# KiCad board miniFPGA_panel.kicad_pcb (continued)
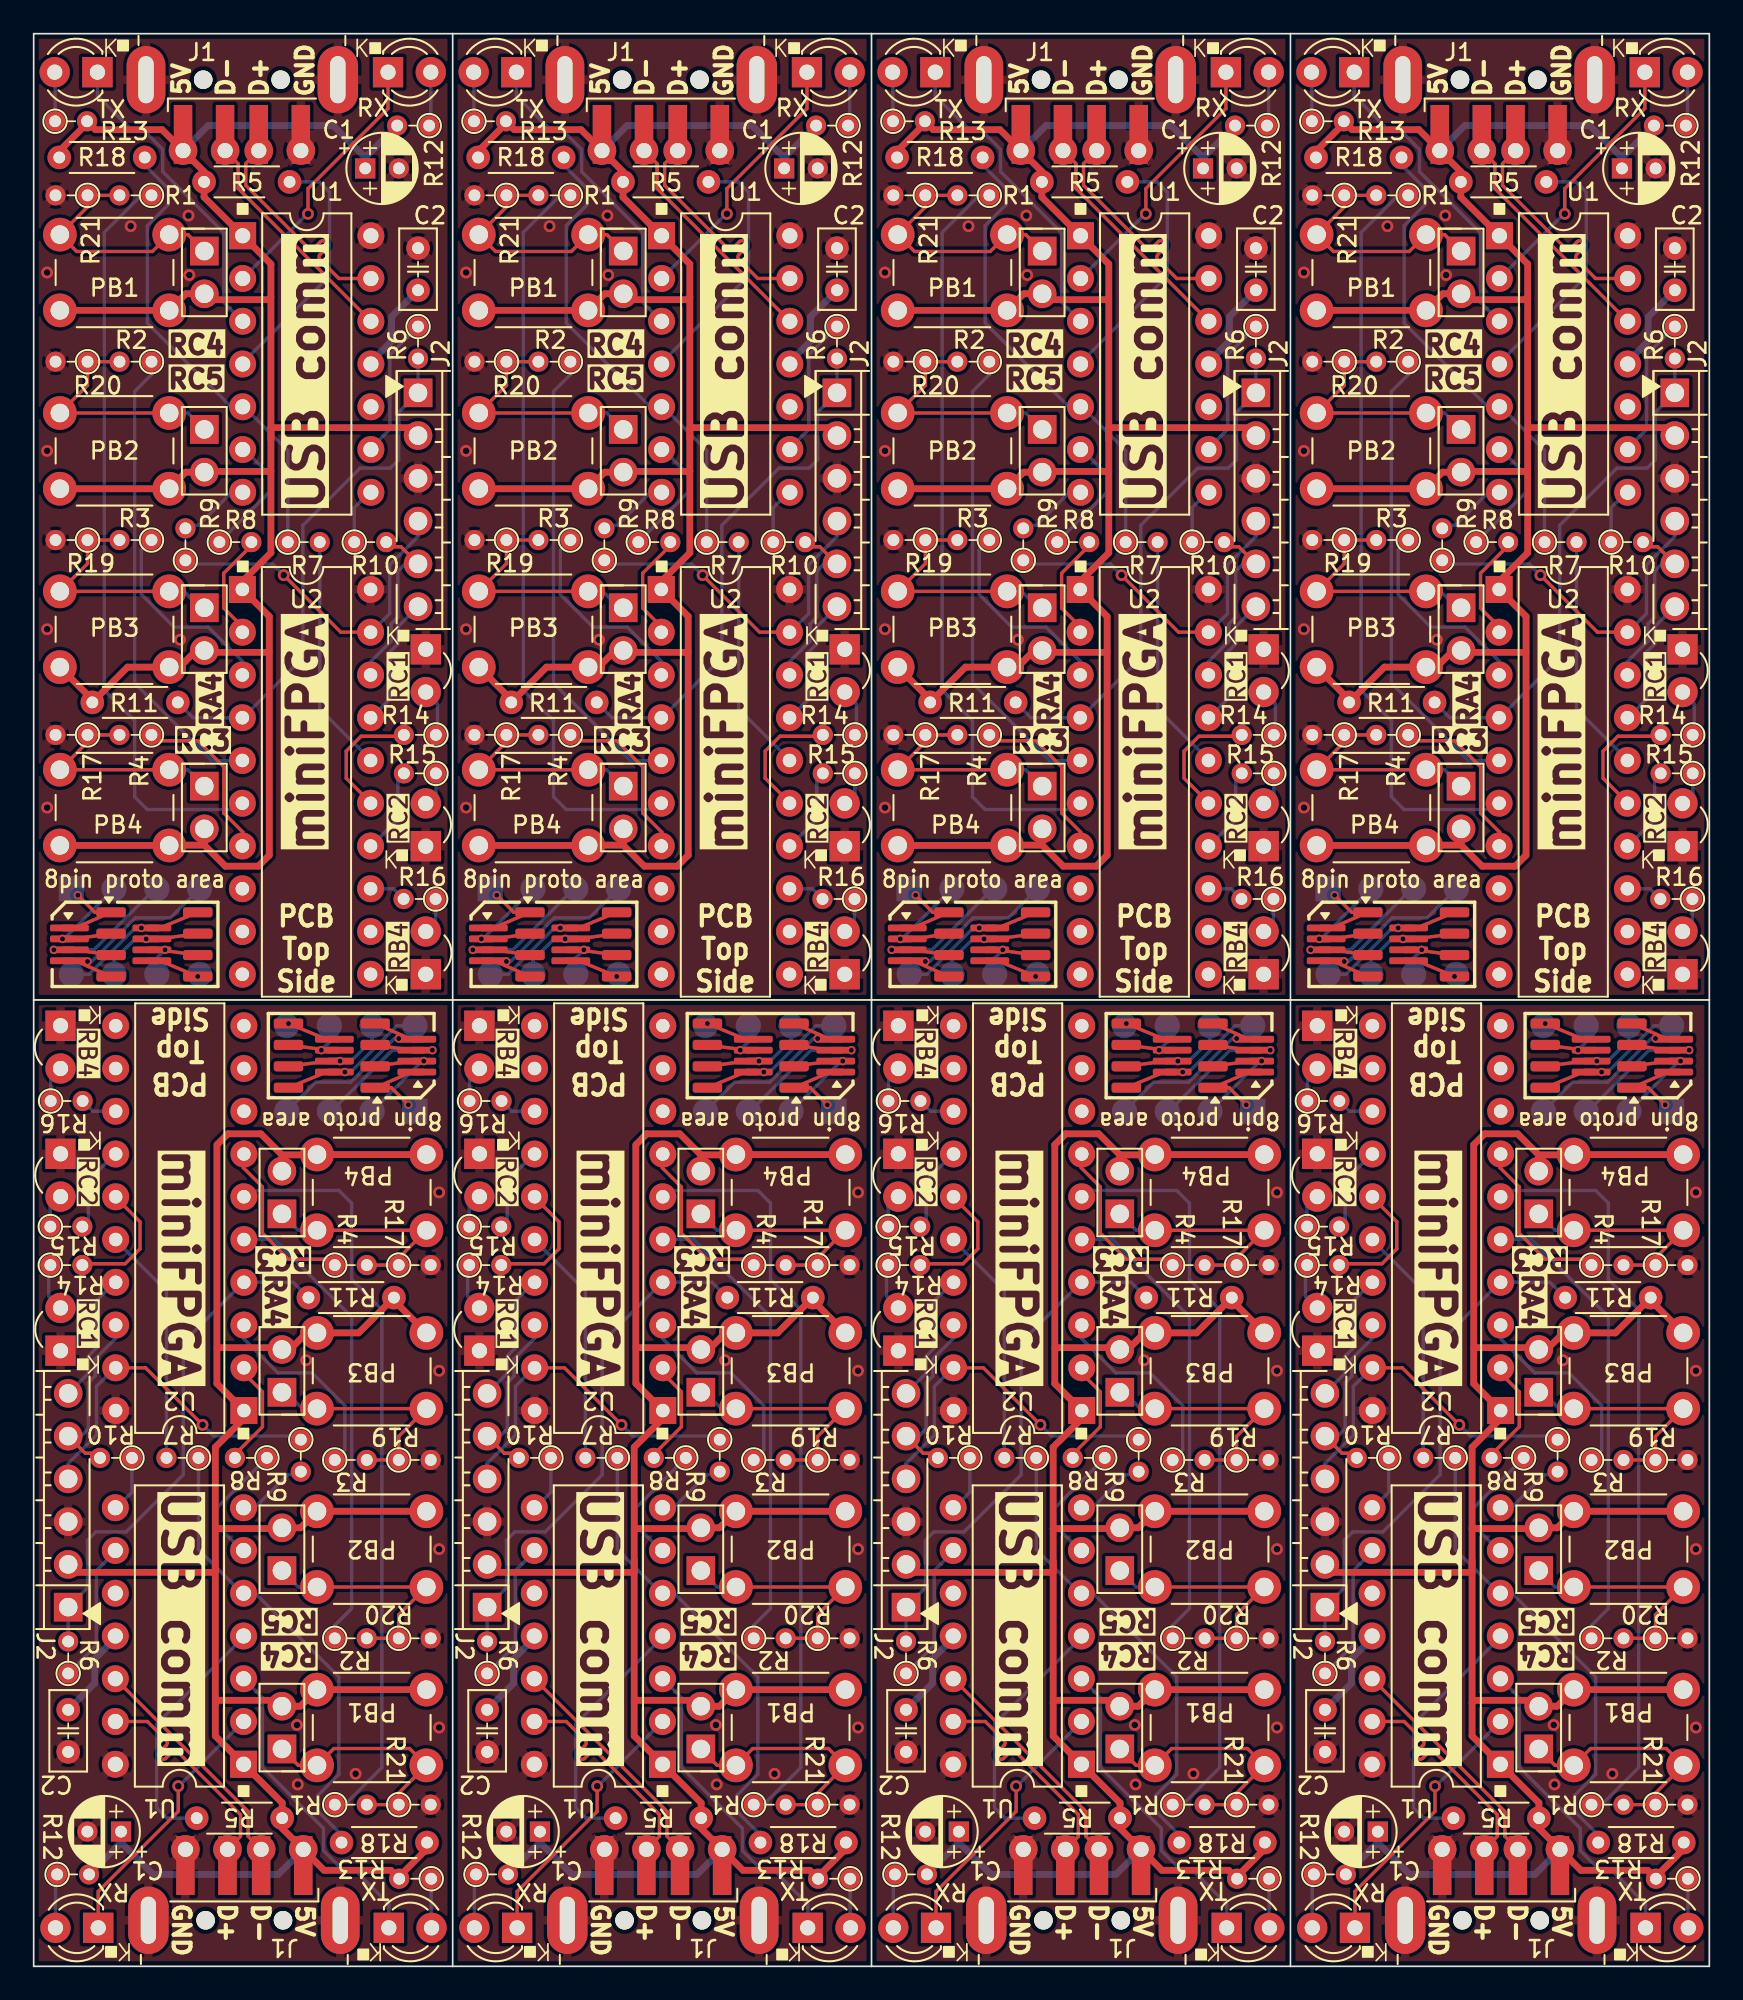
[diagram p0: board, top side]
## Routing (per net, layer and track width the routed paths; a pad name or vN(x,y) marks a point on that pad's centre or on a via; arc(x,y) is an arc through that point) (continued)
Board_0-Net-(LED4-A): length 2
  Bottom w0.2: LED4#7.2 23.91,69.69 23.91,70.87
Board_0-Net-(LED5-A): length 2.2
  Bottom w0.2: R16#6.1 23.88,62.06 LED5.2
Board_0-Net-(U1-GP2): length 4.1
  Bottom w0.2: 9.12,85.6 9.8,85.6 11.84,87.64 12.43,87.64
Board_0-Net-(U1-GP3): length 3.7
  Bottom w0.2: 19.03,84.33 19.05,84.35 19.05,86.65 20.05,87.64
Board_0-Net-(U1-SDA): length 8.4
  Bottom w0.2: 20.05,90.18 21.16,91.3 21.16,95.73 R6#5.1
Board_0-Net-(U1-VUSB): length 5.4
  Bottom w0.4: C2#7.1 21.27,97.99 21.27,96.54 20.05,95.33 20.05,95.33
Board_0-Net-(U1-~{RST}): length 14.9
  Bottom w0.2: R5.1 16.97,106 17.58,105.4 17.58,100.42 12.43,95.26
Board_0-VDD: length 134.9
  Top w0.4: PB1#5.2 PB1#5.2 9.04,99.36 JP1#8.2 10.49,99 13.96,99 14.1,99.14 ; PB2#6.2 PB2#6.2 9.04,88.76 JP2#6.2 10.18,88.8 14.1,88.8 ; 14.1,90.68 14.1,91.4 22.37,91.4 J2#6.2 ; PB3#8.2 3.49,75.25 R11#5.1 5.58,77.18 PB3#8.2 8.68,77.18 9.66,78.16 JP3#7.2 10.25,78.05 14,78.05 ; R18#3.1 1.52,107.82 3.17,109.48 R13#7.2 3.67,109.1 7.63,109.1 10.13,106.61 10.13,105.1 14.1,101.12 14.1,83.97 12.44,82.31 12.44,81.76 14,80.19 14,66 13.35,65.35 11.39,65.35 10.14,66.6 ; PB4#5.2 PB4#5.2 8.08,66.6 10.14,66.6 ; 10.14,66.6 JP4.2
  Bottom w0.4: 19.7,107.45 R12#7.2 ; 19.7,107.45 C1#8.1 ; 19.7,107.45 17.8,109.35 10.36,109.35 J1#2.1
Board_1-/RA0: length 20.5
  Top w0.2: v1(39.75,82.64) 43.14,79.25 44.95,79.25
  Bottom w0.2: 34.02,83.7 34.41,83.3 39.09,83.3 39.39,83.01 39.39,83 v1(39.75,82.64) ; J2#5.4 47.73,84.94 46.05,83.25 46.05,80.35 44.95,79.25
Board_1-/RA1: length 10.5
  Top w0.2: 45.82,84.33 46.72,84.33 J2#5.5
  Bottom w0.2: 44.95,76.71 44.95,77.54 46.13,78.72 46.13,79.74 46.53,80.14 46.53,82.87 46.97,83.31 J2#5.5
Board_1-/RA2: length 7.8
  Bottom w0.2: 44.95,74.17 46.05,75.27 46.05,78.07 46.53,78.56 46.53,79.57 J2#5.6
Board_1-/RA4: length 11.9
  Bottom w0.2: R3#5.1 31.29,84.13 31.29,81.5 33.23,79.55 35.27,79.55 37.29,77.53 37.29,76.71
Board_1-/RA5: length 6.3
  Top w0.2: 37.83,84.33 37.76,84.33 36.19,82.76 36.19,80.68 37.33,79.54 37.33,79.25
Board_1-/RB4: length 2.2
  Bottom w0.2: U2#6.13 46.27,64.01 R16#4.2
Board_1-/RC0: length 14.2
  Bottom w0.2: 44.95,71.63 41.89,74.69 R7#5.2
Board_1-/RC1: length 7.5
  Top w0.2: R14#5.2 46.81,73.07 44.35,73.07 43.46,72.19 43.46,70.58 44.95,69.09
Board_1-/RC2: length 5.1
  Bottom w0.2: 46.9,70.87 46.53,70.5 46.53,68.14 44.95,66.55
Board_1-/RC3: length 10.3
  Top w0.2: 37.33,66.55 37.33,67.37 36.19,68.5 36.19,71.25 34.64,72.8 32.24,72.8 R4.1
Board_1-/RC4: length 44.5
  Bottom w0.2: 37.33,69.09 36.95,68.72 31.64,68.72 30.89,69.47 30.89,74 29.09,75.8 29.09,103 31.3,105.2 31.49,105.2
Board_1-/RC5: length 27.8
  Bottom w0.2: R2.1 31.89,94.55 30.89,93.55 30.89,76.23 35.48,71.63 37.33,71.63
Board_1-/URx: length 27.9
  Bottom w0.2: R7#5.1 39.99,90.05 37.32,92.72 36.54,92.72 31.65,97.62 31.65,103.41 32.89,104.65 32.89,105.6 31.49,107 R18#8.2
Board_1-/USB_D+: length 13.7
  Top w0.2: J1#8.3 37.49,107.09 37.49,105.8 41.24,102.05 arc(41.39,101.99) 41.53,102.05 41.94,102.45 arc(42.08,102.51) 42.23,102.45 42.3,102.38 arc(42.36,102.23) 42.3,102.09 41.9,101.68 arc(41.84,101.54) 41.9,101.39 43.03,100.26 U1#6.13 44.94,100.27
Board_1-/USB_D-: length 13.7
  Top w0.2: J1#8.2 37.04,107.09 37.04,105.61 U1#6.12 ; 44.93,97.8 44.94,97.8
Board_1-/UTx: length 7.5
  Bottom w0.2: R8.1 38.89,87.57 38.89,88.61 37.32,90.18
Board_1-/~{MCLR}: length 30.9
  Bottom w0.2: 47.73,95.51 J2#5.1 46.58,92.32 46.58,89.5 46.09,89 44.29,89 40.89,85.6 40.89,77.74 37.33,74.17 34.37,74.17 R11#6.2
Board_1-GNDD:
  vias: v1(25.69,100.62) v1(25.69,90.02) v1(25.69,79.43) v1(25.69,68.83) v1(30.66,103.37) v1(33.59,78.8) v1(34.09,104) v1(34.14,100.47)
Board_1-Net-(A1-Pin_1): length 2.4
  Top w0.2: A1#5.1 28.53,62.61 v2(27.52,63.63)
Board_1-Net-(A1-Pin_2): length 4.3
  Bottom w0.2: v2(26.6,61.03) 26.69,61.03 TP2#2.1
Board_1-Net-(A1-Pin_3): length 7.6
  Bottom w0.2: TP3.1 32.1,64.01 28.47,60.38 v2(26.09,60.38)
Board_1-Net-(A1-Pin_4): length 8.9
  Top w0.2: 26.2,59.69 26.56,59.69 A1#5.4
  Bottom w0.2: TP4#2.1 33.03,62.29 30.94,62.29 28.35,59.69 v2(28.09,59.69)
Board_1-Net-(A1-Pin_5): length 0.2
  Bottom w0.2: v2(34.64,58.8) 34.75,58.91 TP5#3.1
Board_1-Net-(A1-Pin_6): length 1.6
  Bottom w0.2: TP6#4.1 32.21,59.9 v2(32.69,60.38)
Board_1-Net-(A1-Pin_7): length 3.3
  Bottom w0.2: TP7#5.1 29.67,59.78 30.92,61.03 v2(31.58,61.03)
Board_1-Net-(A1-Pin_8): length 5.3
  Bottom w0.2: v2(31.29,61.68) 30.94,61.68 28.19,58.93 TP8#6.1
Board_1-Net-(JP1-A): length 14.3
  Top w0.2: 29.59,105.2 R21#2.1 28.09,104.51 PB1#3.1 27.45,101.87 31.95,101.87 PB1#3.1 34.06,102.87 JP1#7.1
Board_1-Net-(JP2-A): length 14.3
  Top w0.2: 29.63,95.32 R20#4.1 28.09,93.92 PB2#2.1 PB2#2.1
  Bottom w0.2: PB2#2.1 34.06,92.27 JP2#3.1
Board_1-Net-(JP3-A): length 14.3
  Top w0.2: PB3#7.1 PB3#7.1 28.09,83.32 R19.1 29.63,84.73
  Bottom w0.2: PB3#7.1 33.82,81.68 34.79,80.7 JP3#8.1
Board_1-Net-(JP4-A): length 13.3
  Top w0.2: PB4#8.1 PB4#8.1 28.09,72.73 R17#7.1 29.63,73.15
  Bottom w0.2: JP4#4.1 34.06,71.08 PB4#8.1
Board_1-Net-(LED1-A): length 3.2
  Bottom w0.2: 48.38,109.35 48.49,109.45 48.49,112.52
Board_1-Net-(LED1-K): length 15.9
  Top w0.2: LED1#5.1 45.95,110.36 41.19,105.6 v1(41.19,104.1)
  Bottom w0.2: 37.32,100.34 37.31,100.34 U1#6.2 41.15,104.1 v1(41.19,104.1)
Board_1-Net-(LED2-A): length 2.9
  Bottom w0.2: LED2#7.2 26.16,112.5 R13#6.1
Board_1-Net-(LED2-K): length 18.8
  Bottom w0.2: LED2#7.1 28.68,111.11 30.79,109 31.49,109 32.56,107.94 32.56,106.61 36.19,102.98 36.19,98.84 37.32,97.72
Board_1-Net-(LED3-A): length 2.8
  Bottom w0.2: LED3#7.2 48.89,75 48.89,73.15
Board_1-Net-(LED4-A): length 2
  Bottom w0.2: 48.8,70.87 48.8,69.69 LED4#4.2
Board_1-Net-(LED5-A): length 2.2
  Bottom w0.2: LED5#8.2 48.77,62.06 R16#4.1
Board_1-Net-(U1-GP2): length 4.1
  Bottom w0.2: 34.02,85.6 34.69,85.6 36.73,87.64 37.32,87.64
Board_1-Net-(U1-GP3): length 3.7
  Bottom w0.2: 43.92,84.33 43.94,84.35 43.94,86.65 44.94,87.64
Board_1-Net-(U1-SDA): length 8.4
  Bottom w0.2: 44.94,90.18 46.06,91.3 46.06,95.73 R6#3.1
Board_1-Net-(U1-VUSB): length 5.4
  Bottom w0.4: C2.1 46.16,97.99 46.16,96.54 44.95,95.33 44.94,95.33
Board_1-Net-(U1-~{RST}): length 14.9
  Bottom w0.2: 37.32,95.26 42.47,100.42 42.47,105.4 41.87,106 R5#3.1
Board_1-VDD: length 134.9
  Top w0.4: 38.89,78.05 35.14,78.05 JP3#8.2 34.55,78.16 33.57,77.18 PB3#7.2 30.47,77.18 R11#6.1 28.38,75.25 PB3#7.2 ; 35.03,66.6 36.28,65.35 38.24,65.35 38.89,66 38.89,80.19 37.33,81.76 37.33,82.31 38.99,83.97 38.99,101.12 35.02,105.1 35.02,106.61 32.52,109.1 28.56,109.1 R13#6.2 28.06,109.48 26.41,107.82 R18#8.1 ; 35.03,66.6 32.97,66.6 PB4#8.2 PB4#8.2 ; 35.03,66.6 JP4#4.2 ; 38.99,88.8 35.08,88.8 JP2#3.2 33.93,88.76 PB2#2.2 PB2#2.2 ; 38.99,99.14 38.85,99 35.38,99 JP1#7.2 33.93,99.36 PB1#3.2 PB1#3.2 ; J2#5.2 47.26,91.4 38.99,91.4 38.99,90.68
  Bottom w0.4: 44.59,107.45 R12#8.2 ; 44.59,107.45 C1#2.1 ; 44.59,107.45 42.69,109.35 35.25,109.35 J1#8.1
Board_2-/RA0: length 20.5
  Top w0.2: 69.84,79.25 68.03,79.25 v1(64.64,82.64)
  Bottom w0.2: 58.91,83.7 59.3,83.3 63.98,83.3 64.28,83.01 64.28,83 v1(64.64,82.64) ; 69.84,79.25 70.94,80.35 70.94,83.25 72.62,84.94 J2#2.4
Board_2-/RA1: length 10.5
  Top w0.2: 70.71,84.33 71.61,84.33 J2#2.5
  Bottom w0.2: 69.84,76.71 69.84,77.54 71.02,78.72 71.02,79.74 71.42,80.14 71.42,82.87 71.86,83.31 J2#2.5
Board_2-/RA2: length 7.8
  Bottom w0.2: J2#2.6 71.42,79.57 71.42,78.56 70.94,78.07 70.94,75.27 69.84,74.17
Board_2-/RA4: length 11.9
  Bottom w0.2: R3#7.1 56.18,84.13 56.18,81.5 58.13,79.55 60.16,79.55 62.18,77.53 62.18,76.71
Board_2-/RA5: length 6.3
  Top w0.2: 62.22,79.25 62.22,79.54 61.08,80.68 61.08,82.76 62.65,84.33 62.72,84.33
Board_2-/RB4: length 2.2
  Bottom w0.2: R16#2.2 71.16,64.01 U2#2.13
Board_2-/RC0: length 14.2
  Bottom w0.2: 69.84,71.63 66.78,74.69 R7#8.2
Board_2-/RC1: length 7.5
  Top w0.2: 69.84,69.09 68.36,70.58 68.36,72.19 69.24,73.07 71.71,73.07 R14#2.2
Board_2-/RC2: length 5.1
  Bottom w0.2: 69.84,66.55 71.42,68.14 71.42,70.5 71.79,70.87
Board_2-/RC3: length 10.3
  Top w0.2: 62.22,66.55 62.22,67.37 61.08,68.5 61.08,71.25 59.53,72.8 57.13,72.8 R4#7.1
Board_2-/RC4: length 44.5
  Bottom w0.2: 62.22,69.09 61.85,68.72 56.53,68.72 55.78,69.47 55.78,74 53.98,75.8 53.98,103 56.19,105.2 56.38,105.2
Board_2-/RC5: length 27.8
  Bottom w0.2: 62.22,71.63 60.38,71.63 55.78,76.23 55.78,93.55 56.78,94.55 R2#6.1
Board_2-/URx: length 27.9
  Bottom w0.2: R18#5.2 56.38,107 57.78,105.6 57.78,104.65 56.54,103.41 56.54,97.62 61.43,92.72 62.21,92.72 64.88,90.05 R7#8.1
Board_2-/USB_D+: length 13.7
  Top w0.2: 69.83,100.27 U1.13 67.92,100.26 66.79,101.39 arc(66.73,101.54) 66.79,101.68 67.2,102.09 arc(67.26,102.23) 67.2,102.38 67.12,102.45 arc(66.97,102.51) 66.83,102.45 66.43,102.05 arc(66.28,101.99) 66.13,102.05 62.38,105.8 62.38,107.09 J1#4.3
Board_2-/USB_D-: length 13.7
  Top w0.2: U1.12 61.93,105.61 61.93,107.09 J1#4.2 ; 69.82,97.8 69.83,97.8
Board_2-/UTx: length 7.5
  Bottom w0.2: 62.21,90.18 63.78,88.61 63.78,87.57 R8#6.1
Board_2-/~{MCLR}: length 30.9
  Bottom w0.2: R11#3.2 59.26,74.17 62.22,74.17 65.78,77.74 65.78,85.6 69.18,89 70.98,89 71.47,89.5 71.47,92.32 J2#2.1 72.62,95.51
Board_2-GNDD:
  vias: v1(50.58,100.62) v1(50.58,90.02) v1(50.58,79.43) v1(50.58,68.83) v1(55.55,103.37) v1(58.48,78.8) v1(58.98,104) v1(59.03,100.47)
Board_2-Net-(A1-Pin_1): length 2.4
  Top w0.2: A1#8.1 53.42,62.61 v2(52.41,63.63)
Board_2-Net-(A1-Pin_2): length 4.3
  Bottom w0.2: v2(51.5,61.03) 51.59,61.03 TP2#5.1
Board_2-Net-(A1-Pin_3): length 7.6
  Bottom w0.2: v2(50.98,60.38) 53.36,60.38 56.99,64.01 TP3#2.1
Board_2-Net-(A1-Pin_4): length 8.9
  Top w0.2: A1#8.4 51.46,59.69 51.1,59.69
  Bottom w0.2: TP4#4.1 57.92,62.29 55.83,62.29 53.24,59.69 v2(52.98,59.69)
Board_2-Net-(A1-Pin_5): length 0.2
  Bottom w0.2: v2(59.53,58.8) 59.64,58.91 TP5#4.1
Board_2-Net-(A1-Pin_6): length 1.6
  Bottom w0.2: v2(57.58,60.38) 57.1,59.9 TP6.1
Board_2-Net-(A1-Pin_7): length 3.3
  Bottom w0.2: v2(56.47,61.03) 55.81,61.03 54.56,59.78 TP7#8.1
Board_2-Net-(A1-Pin_8): length 5.3
  Bottom w0.2: v2(56.18,61.68) 55.83,61.68 53.08,58.93 TP8#8.1
Board_2-Net-(JP1-A): length 14.3
  Top w0.2: JP1#4.1 58.95,102.87 PB1#4.1 56.84,101.87 52.34,101.87 PB1#4.1 52.98,104.51 R21#3.1 54.48,105.2
Board_2-Net-(JP2-A): length 14.3
  Top w0.2: 54.52,95.32 R20#7.1 52.98,93.92 PB2#8.1 PB2#8.1
  Bottom w0.2: JP2#4.1 58.95,92.27 PB2#8.1
Board_2-Net-(JP3-A): length 14.3
  Top w0.2: 54.52,84.73 R19#4.1 52.98,83.32 PB3#5.1 PB3#5.1
  Bottom w0.2: PB3#5.1 58.71,81.68 59.68,80.7 JP3#2.1
Board_2-Net-(JP4-A): length 13.3
  Top w0.2: 54.52,73.15 R17#6.1 52.98,72.73 PB4#3.1 PB4#3.1
  Bottom w0.2: PB4#3.1 58.95,71.08 JP4#8.1
Board_2-Net-(LED1-A): length 3.2
  Bottom w0.2: LED1#7.2 73.38,109.45 73.27,109.35
Board_2-Net-(LED1-K): length 15.9
  Top w0.2: v1(66.08,104.1) 66.08,105.6 70.84,110.36 LED1#7.1
  Bottom w0.2: 62.21,100.34 62.2,100.34 U1.2 66.04,104.1 v1(66.08,104.1)
Board_2-Net-(LED2-A): length 2.9
  Bottom w0.2: R13#3.1 51.05,112.5 LED2.2
Board_2-Net-(LED2-K): length 18.8
  Bottom w0.2: LED2.1 53.57,111.11 55.68,109 56.38,109 57.45,107.94 57.45,106.61 61.08,102.98 61.08,98.84 62.21,97.72
Board_2-Net-(LED3-A): length 2.8
  Bottom w0.2: 73.78,73.15 73.78,75 LED3#2.2
Board_2-Net-(LED4-A): length 2
  Bottom w0.2: LED4#8.2 73.69,69.69 73.69,70.87
Board_2-Net-(LED5-A): length 2.2
  Bottom w0.2: LED5#6.2 73.67,62.06 R16#2.1
Board_2-Net-(U1-GP2): length 4.1
  Bottom w0.2: 62.21,87.64 61.62,87.64 59.58,85.6 58.91,85.6
Board_2-Net-(U1-GP3): length 3.7
  Bottom w0.2: 69.83,87.64 68.83,86.65 68.83,84.35 68.81,84.33
Board_2-Net-(U1-SDA): length 8.4
  Bottom w0.2: R6.1 70.95,95.73 70.95,91.3 69.83,90.18
Board_2-Net-(U1-VUSB): length 5.4
  Bottom w0.4: C2#4.1 71.05,97.99 71.05,96.54 69.84,95.33 69.83,95.33
Board_2-Net-(U1-~{RST}): length 14.9
  Bottom w0.2: R5#6.1 66.76,106 67.37,105.4 67.37,100.42 62.21,95.26
Board_2-VDD: length 134.9
  Top w0.4: PB1#4.2 PB1#4.2 58.82,99.36 JP1#4.2 60.28,99 63.74,99 63.88,99.14 ; PB2#8.2 PB2#8.2 58.82,88.76 JP2#4.2 59.97,88.8 63.88,88.8 ; 59.92,66.6 JP4#8.2 ; 59.92,66.6 61.18,65.35 63.13,65.35 63.78,66 63.78,80.19 62.22,81.76 62.22,82.31 63.88,83.97 63.88,101.12 59.91,105.1 59.91,106.61 57.42,109.1 53.46,109.1 R13#3.2 52.96,109.48 51.3,107.82 R18#5.1 ; 59.92,66.6 57.86,66.6 PB4#3.2 PB4#3.2 ; 63.88,90.68 63.88,91.4 72.15,91.4 J2#2.2 ; PB3#5.2 53.27,75.25 R11#3.1 55.37,77.18 PB3#5.2 58.46,77.18 59.44,78.16 JP3#2.2 60.04,78.05 63.78,78.05
  Bottom w0.4: J1#4.1 60.15,109.35 67.58,109.35 69.48,107.45 ; 69.48,107.45 C1#5.1 ; 69.48,107.45 R12#3.2
Board_3-/RA0: length 20.5
  Top w0.2: 94.73,79.25 92.92,79.25 v1(89.53,82.64)
  Bottom w0.2: 83.8,83.7 84.2,83.3 88.88,83.3 89.17,83.01 89.17,83 v1(89.53,82.64) ; 94.73,79.25 95.83,80.35 95.83,83.25 97.52,84.94 J2#7.4
Board_3-/RA1: length 10.5
  Top w0.2: J2#7.5 96.5,84.33 95.6,84.33
  Bottom w0.2: J2#7.5 96.75,83.31 96.32,82.87 96.32,80.14 95.92,79.74 95.92,78.72 94.73,77.54 94.73,76.71
Board_3-/RA2: length 7.8
  Bottom w0.2: 94.73,74.17 95.83,75.27 95.83,78.07 96.32,78.56 96.32,79.57 J2#7.6
Board_3-/RA4: length 11.9
  Bottom w0.2: R3.1 81.08,84.13 81.08,81.5 83.02,79.55 85.05,79.55 87.08,77.53 87.08,76.71
Board_3-/RA5: length 6.3
  Top w0.2: 87.11,79.25 87.11,79.54 85.97,80.68 85.97,82.76 87.54,84.33 87.61,84.33
Board_3-/RB4: length 2.2
  Bottom w0.2: U2#3.13 96.05,64.01 R16#7.2
Board_3-/RC0: length 14.2
  Bottom w0.2: 94.73,71.63 91.68,74.69 R7.2
Board_3-/RC1: length 7.5
  Top w0.2: R14#3.2 96.6,73.07 94.13,73.07 93.25,72.19 93.25,70.58 94.73,69.09
Board_3-/RC2: length 5.1
  Bottom w0.2: 96.68,70.87 96.32,70.5 96.32,68.14 94.73,66.55
Board_3-/RC3: length 10.3
  Top w0.2: 87.11,66.55 87.11,67.37 85.98,68.5 85.98,71.25 84.42,72.8 82.02,72.8 R4#3.1
Board_3-/RC4: length 44.5
  Bottom w0.2: 81.28,105.2 81.08,105.2 78.88,103 78.88,75.8 80.68,74 80.68,69.47 81.43,68.72 86.74,68.72 87.11,69.09
Board_3-/RC5: length 27.8
  Bottom w0.2: 87.11,71.63 85.27,71.63 80.68,76.23 80.68,93.55 81.68,94.55 R2#3.1
Board_3-/URx: length 27.9
  Bottom w0.2: R7.1 89.78,90.05 87.1,92.72 86.33,92.72 81.43,97.62 81.43,103.41 82.68,104.65 82.68,105.6 81.28,107 R18#4.2
Board_3-/USB_D+: length 13.7
  Top w0.2: J1#6.3 87.28,107.09 87.28,105.8 91.02,102.05 arc(91.17,101.99) 91.32,102.05 91.72,102.45 arc(91.87,102.51) 92.01,102.45 92.09,102.38 arc(92.15,102.23) 92.09,102.09 91.69,101.68 arc(91.62,101.54) 91.69,101.39 92.81,100.26 U1#3.13 94.72,100.27
Board_3-/USB_D-: length 13.7
  Top w0.2: 94.71,97.8 94.72,97.8 ; U1#3.12 86.83,105.61 86.83,107.09 J1#6.2
Board_3-/UTx: length 7.5
  Bottom w0.2: R8#2.1 88.68,87.57 88.68,88.61 87.1,90.18
Board_3-/~{MCLR}: length 30.9
  Bottom w0.2: R11#8.2 84.15,74.17 87.11,74.17 90.68,77.74 90.68,85.6 94.08,89 95.87,89 96.37,89.5 96.37,92.32 J2#7.1 97.52,95.51
Board_3-GNDD:
  vias: v1(75.48,100.62) v1(75.48,90.02) v1(75.48,79.43) v1(75.48,68.83) v1(80.44,103.37) v1(83.38,78.8) v1(83.88,104) v1(83.92,100.47)
Board_3-Net-(A1-Pin_1): length 2.4
  Top w0.2: v2(77.3,63.63) 78.31,62.61 A1.1
Board_3-Net-(A1-Pin_2): length 4.3
  Bottom w0.2: TP2#7.1 76.48,61.03 v2(76.39,61.03)
Board_3-Net-(A1-Pin_3): length 7.6
  Bottom w0.2: v2(75.88,60.38) 78.26,60.38 81.88,64.01 TP3#4.1
Board_3-Net-(A1-Pin_4): length 8.9
  Top w0.2: 75.99,59.69 76.35,59.69 A1.4
  Bottom w0.2: TP4#5.1 82.81,62.29 80.73,62.29 78.13,59.69 v2(77.88,59.69)
Board_3-Net-(A1-Pin_5): length 0.2
  Bottom w0.2: v2(84.43,58.8) 84.54,58.91 TP5#8.1
Board_3-Net-(A1-Pin_6): length 1.6
  Bottom w0.2: TP6#8.1 82,59.9 v2(82.48,60.38)
Board_3-Net-(A1-Pin_7): length 3.3
  Bottom w0.2: v2(81.36,61.03) 80.71,61.03 79.46,59.78 TP7#6.1
Board_3-Net-(A1-Pin_8): length 5.3
  Bottom w0.2: v2(81.08,61.68) 80.72,61.68 77.97,58.93 TP8#2.1
Board_3-Net-(JP1-A): length 14.3
  Top w0.2: 79.38,105.2 R21#5.1 77.88,104.51 PB1#8.1 77.23,101.87 81.73,101.87 PB1#8.1 83.84,102.87 JP1#5.1
Board_3-Net-(JP2-A): length 14.3
  Top w0.2: 79.41,95.32 R20#8.1 77.88,93.92 PB2#5.1 PB2#5.1
  Bottom w0.2: JP2#2.1 83.84,92.27 PB2#5.1
Board_3-Net-(JP3-A): length 14.3
  Top w0.2: PB3#3.1 PB3#3.1 77.88,83.32 R19#2.1 79.41,84.73
  Bottom w0.2: PB3#3.1 83.6,81.68 84.58,80.7 JP3#4.1
Board_3-Net-(JP4-A): length 13.3
  Top w0.2: PB4#2.1 PB4#2.1 77.88,72.73 R17#4.1 79.41,73.15
  Bottom w0.2: JP4#7.1 83.84,71.08 PB4#2.1
Board_3-Net-(LED1-A): length 3.2
  Bottom w0.2: LED1#4.2 98.27,109.45 98.17,109.35
Board_3-Net-(LED1-K): length 15.9
  Top w0.2: v1(90.98,104.1) 90.98,105.6 95.73,110.36 LED1#4.1
  Bottom w0.2: v1(90.98,104.1) 90.93,104.1 U1#3.2 87.09,100.34 87.1,100.34
Board_3-Net-(LED2-A): length 2.9
  Bottom w0.2: R13#2.1 75.95,112.5 LED2#4.2
Board_3-Net-(LED2-K): length 18.8
  Bottom w0.2: LED2#4.1 78.47,111.11 80.58,109 81.28,109 82.34,107.94 82.34,106.61 85.98,102.98 85.98,98.84 87.1,97.72
Board_3-Net-(LED3-A): length 2.8
  Bottom w0.2: LED3#5.2 98.67,75 98.67,73.15
Board_3-Net-(LED4-A): length 2
  Bottom w0.2: 98.58,70.87 98.58,69.69 LED4#3.2
Board_3-Net-(LED5-A): length 2.2
  Bottom w0.2: R16#7.1 98.56,62.06 LED5#5.2
Board_3-Net-(U1-GP2): length 4.1
  Bottom w0.2: 87.1,87.64 86.52,87.64 84.47,85.6 83.8,85.6
Board_3-Net-(U1-GP3): length 3.7
  Bottom w0.2: 93.7,84.33 93.73,84.35 93.73,86.65 94.72,87.64
Board_3-Net-(U1-SDA): length 8.4
  Bottom w0.2: 94.72,90.18 95.84,91.3 95.84,95.73 R6#4.1
Board_3-Net-(U1-VUSB): length 5.4
  Bottom w0.4: C2#3.1 95.94,97.99 95.94,96.54 94.73,95.33 94.72,95.33
Board_3-Net-(U1-~{RST}): length 14.9
  Bottom w0.2: 87.1,95.26 92.26,100.42 92.26,105.4 91.65,106 R5#4.1
Board_3-VDD: length 134.9
  Top w0.4: PB1#8.2 PB1#8.2 83.72,99.36 JP1#5.2 85.17,99 88.64,99 88.78,99.14 ; 88.78,90.68 88.78,91.4 97.04,91.4 J2#7.2 ; 88.78,88.8 84.86,88.8 JP2#2.2 83.72,88.76 PB2#5.2 PB2#5.2 ; R18#4.1 76.2,107.82 77.85,109.48 R13#2.2 78.35,109.1 82.31,109.1 84.8,106.61 84.8,105.1 88.78,101.12 88.78,83.97 87.11,82.31 87.11,81.76 88.68,80.19 88.68,66 88.03,65.35 86.07,65.35 84.82,66.6 ; 88.68,78.05 84.93,78.05 JP3#4.2 84.34,78.16 83.35,77.18 PB3#3.2 80.26,77.18 R11#8.1 78.16,75.25 PB3#3.2 ; 84.82,66.6 JP4#7.2 ; 84.82,66.6 82.75,66.6 PB4#2.2 PB4#2.2
  Bottom w0.4: C1#6.1 94.38,107.45 ; 94.38,107.45 R12.2 ; 94.38,107.45 92.48,109.35 85.04,109.35 J1#6.1
Board_4-/RA0: length 20.5
  Top w0.2: 4.84,35.56 6.65,35.56 v1(10.04,32.16)
  Bottom w0.2: v1(10.04,32.16) 10.4,31.8 10.4,31.8 10.69,31.5 15.37,31.5 15.77,31.11 ; 4.84,35.56 3.74,34.46 3.74,31.55 2.05,29.87 J2#8.4
Board_4-/RA1: length 10.5
  Top w0.2: J2#8.5 3.07,30.48 3.96,30.48
  Bottom w0.2: 4.84,38.09 4.84,37.27 3.65,36.09 3.65,35.07 3.25,34.67 3.25,31.93 2.81,31.5 J2#8.5
Board_4-/RA2: length 7.8
  Bottom w0.2: J2#8.6 3.25,35.24 3.25,36.25 3.74,36.74 3.74,39.54 4.84,40.64
Board_4-/RA4: length 11.9
  Bottom w0.2: R3#2.1 18.49,30.68 18.49,33.31 16.55,35.25 14.52,35.25 12.49,37.28 12.49,38.09
Board_4-/RA5: length 6.3
  Top w0.2: 12.46,35.56 12.46,35.27 13.6,34.13 13.6,32.05 12.03,30.48 11.96,30.48
Board_4-/RB4: length 2.2
  Bottom w0.2: R16#3.2 3.52,50.8 U2#8.13
Board_4-/RC0: length 14.2
  Bottom w0.2: 4.84,43.18 7.89,40.12 R7#7.2
Board_4-/RC1: length 7.5
  Top w0.2: 4.84,45.72 6.32,44.23 6.32,42.62 5.43,41.74 2.97,41.74 R14#8.2
Board_4-/RC2: length 5.1
  Bottom w0.2: 2.89,43.94 3.25,44.31 3.25,46.67 4.84,48.26
Board_4-/RC3: length 10.3
  Top w0.2: R4#2.1 17.54,42 15.15,42 13.59,43.56 13.59,46.3 12.46,47.44 12.46,48.26
Board_4-/RC4: length 44.5
  Bottom w0.2: 18.29,9.6 18.49,9.6 20.69,11.81 20.69,39 18.89,40.8 18.89,45.34 18.14,46.09 12.83,46.09 12.46,45.72
Board_4-/RC5: length 27.8
  Bottom w0.2: R2#7.1 17.89,20.25 18.89,21.25 18.89,38.58 14.3,43.18 12.46,43.18
Board_4-/URx: length 27.9
  Bottom w0.2: R18#7.2 18.29,7.8 16.89,9.2 16.89,10.16 18.14,11.4 18.14,17.19 13.24,22.08 12.47,22.08 9.79,24.76 R7#7.1
Board_4-/USB_D+: length 13.7
  Top w0.2: 4.85,14.54 U1#7.13 6.76,14.54 7.88,13.42 arc(7.94,13.27) 7.88,13.12 7.48,12.72 arc(7.42,12.58) 7.48,12.43 7.55,12.35 arc(7.7,12.29) 7.85,12.35 8.25,12.76 arc(8.4,12.82) 8.54,12.76 12.29,9.01 12.29,7.72 J1#5.3
Board_4-/USB_D-: length 13.7
  Top w0.2: J1#5.2 12.74,7.72 12.74,9.2 U1#7.12 ; 4.85,17 4.85,17
Board_4-/UTx: length 7.5
  Bottom w0.2: 12.47,24.62 10.89,26.2 10.89,27.24 R8#8.1
Board_4-/~{MCLR}: length 30.9
  Bottom w0.2: R11#4.2 15.42,40.64 12.46,40.64 8.89,37.07 8.89,29.2 5.49,25.8 3.69,25.8 3.2,25.31 3.2,22.49 J2#8.1 R6#8.2
Board_4-GNDD:
  vias: v1(15.64,14.34) v1(15.69,10.8) v1(16.19,36) v1(19.13,11.44) v1(24.09,45.97) v1(24.09,35.38) v1(24.09,24.78) v1(24.09,14.19)